# Altium PCB main - Copy.PcbDoc (part 4 of 14)
Units mil, origin at the board's own origin, x right, y up, seen from the top; angles counter-clockwise.
Board outline 8394.55 x 5164.44 mil, 7 copper layers (Top Layer 1, Layer 2, Layer 3, Unused, Layer 4_pow, Layer 5_gnd, Bottom 6+gnd), stack 46.112 mil thick; 406 components, 463 nets, 1919 pads, 903 vias.
Unrouted connection lines stored in the file: 147.
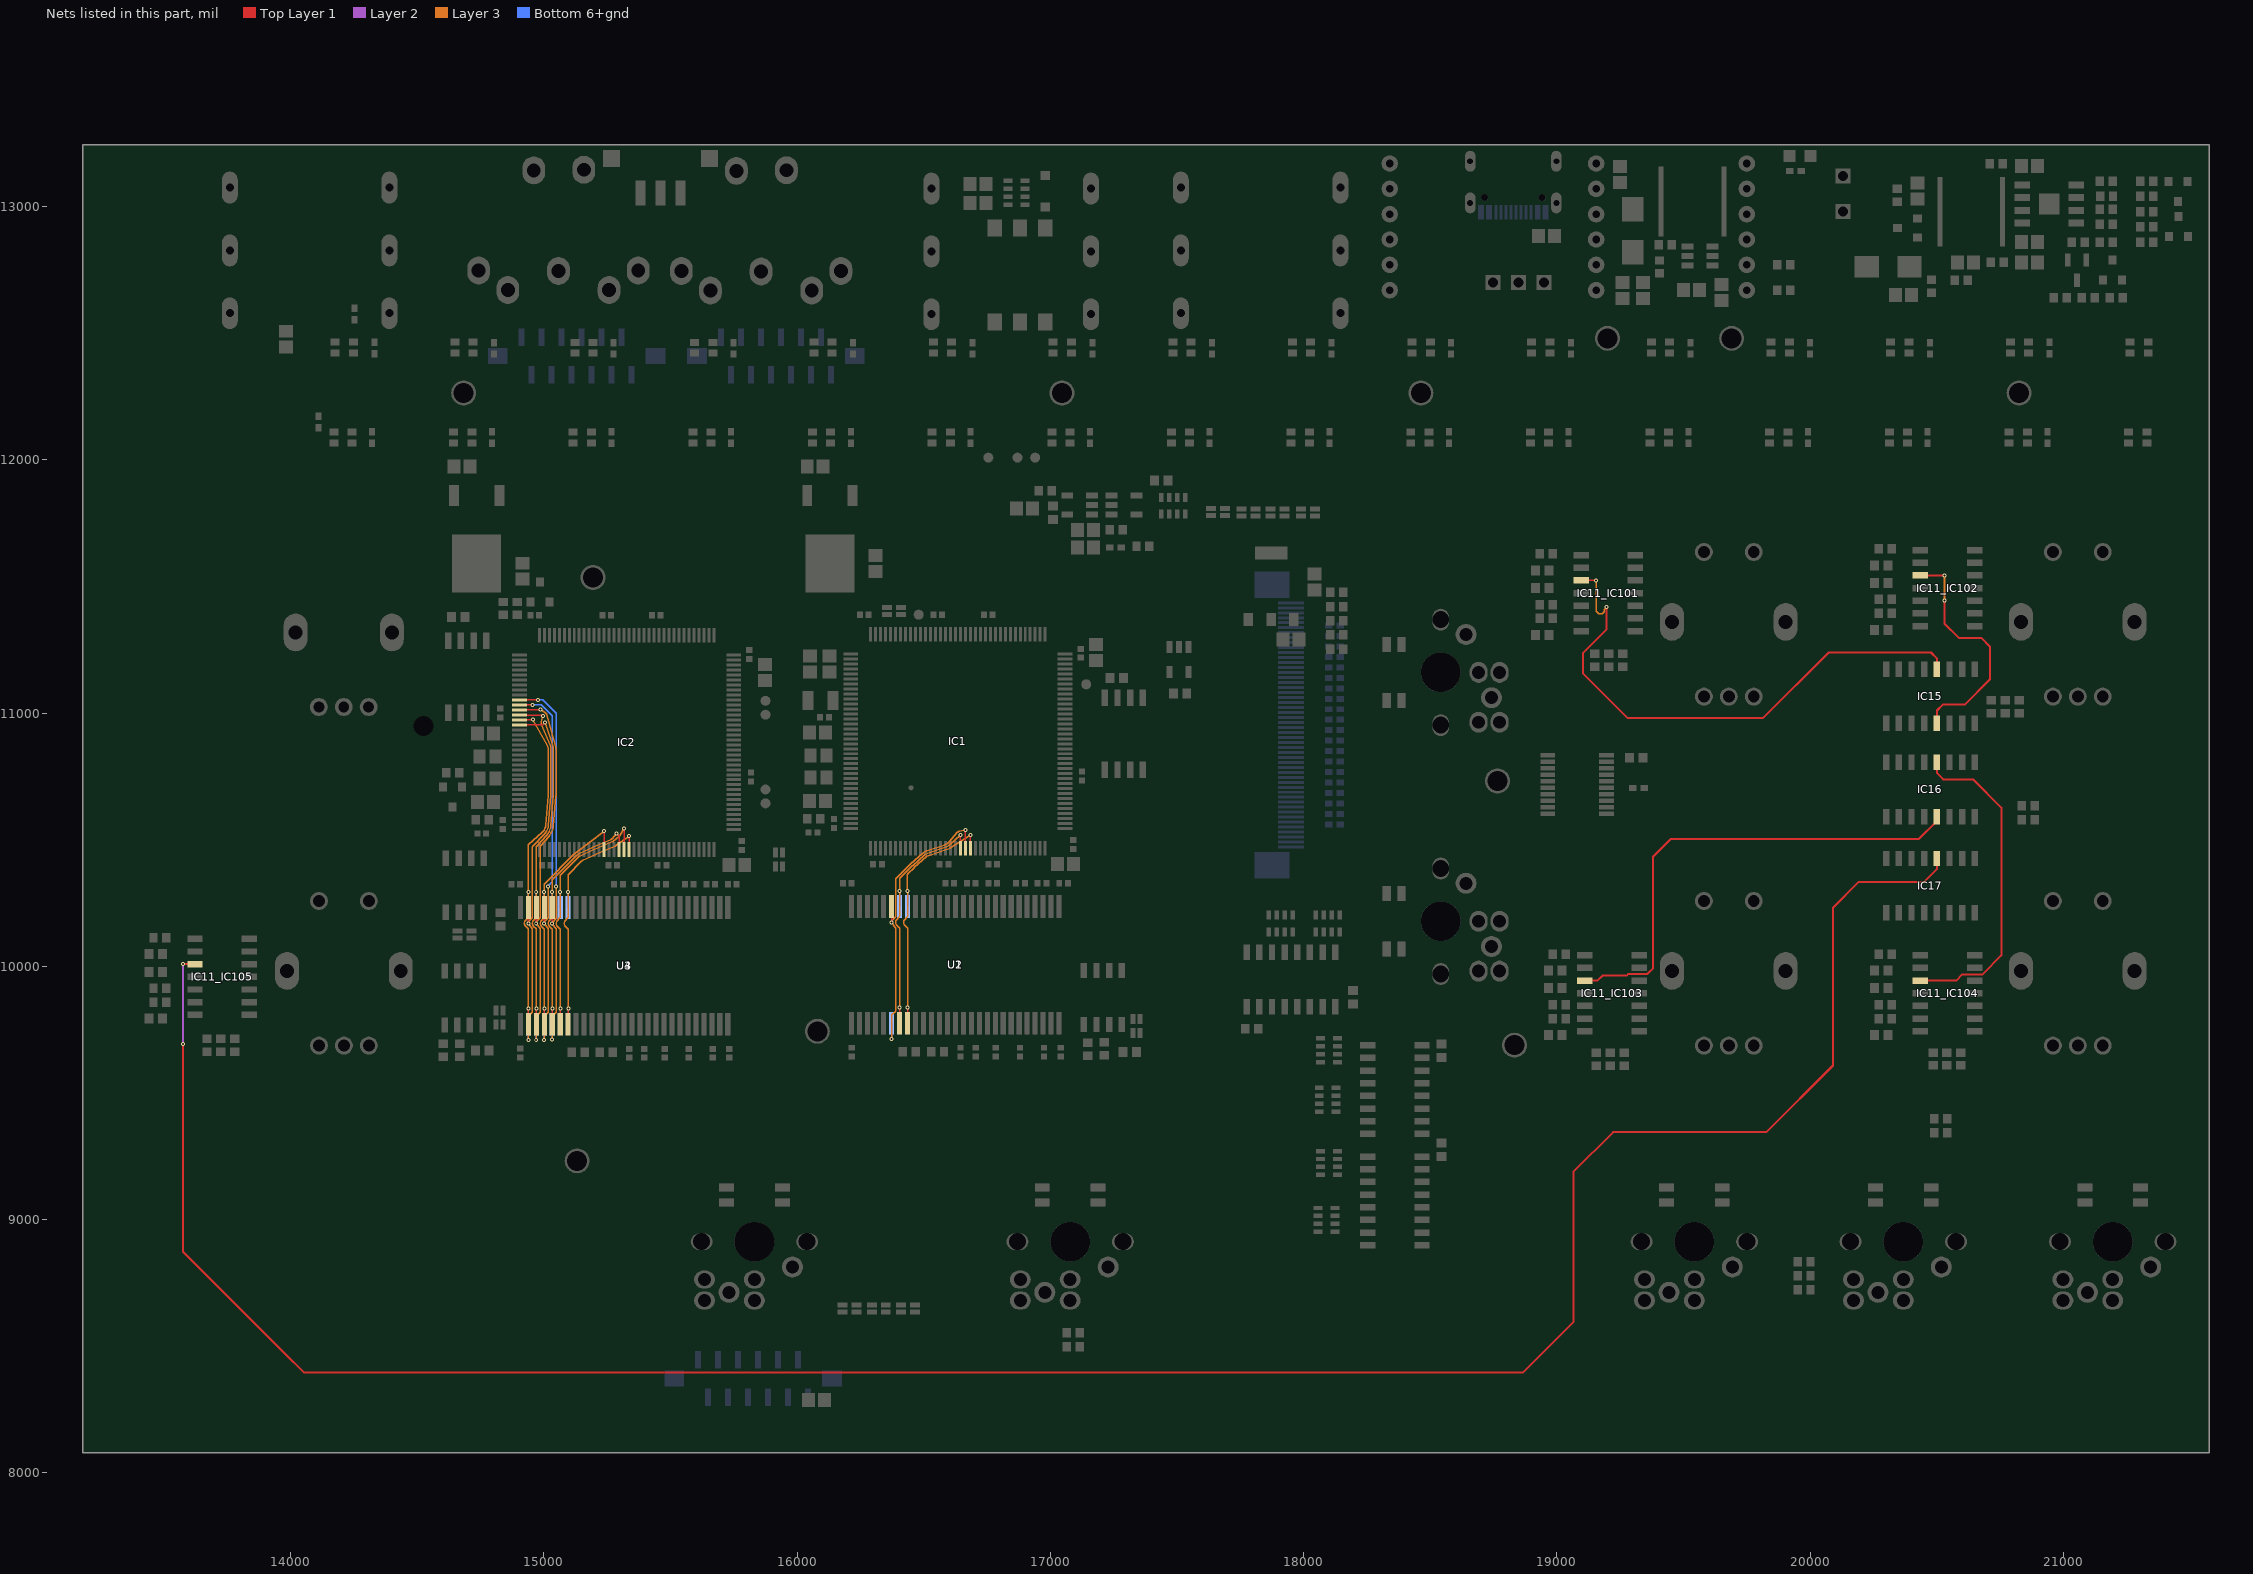
[diagram p8: the nets of this part, all layers, seen from the top]

## Via types
v1: diameter 15.75, hole 7.87, Top Layer 1 to Bottom 6+gnd, tented both sides, 830 vias
v2: diameter 27.56, hole 11.81, Top Layer 1 to Bottom 6+gnd, 45 vias
v3: diameter 23.62/23.62/23.62/23.62/23.62/23.62/23.62 (per signal layer), hole 12, Top Layer 1 to Bottom 6+gnd, tented top, 12 vias
v4: diameter 15.75, hole 7.87, Top Layer 1 to Bottom 6+gnd, 10 vias
v5: diameter 23.62/23.62/23.62/23.62/23.62/23.62/23.62 (per signal layer), hole 12, Top Layer 1 to Bottom 6+gnd, tented bottom, 6 vias

## Nets (pads, with @x,y where several pads share a name; then routed paths per layer and width w, separated by ;. In a path a pad name is that pad's centre, name@x,y a point inside that pad or via, vN(x,y) a via of type N, cw(c..) or ccw(c..) an arc to the next point about the centre after c; other vN are vias at no path point) (continued)
A9: IC1.55 U1.34 U2.34 | length 1531.6
  Top Layer 1 w5: U1.34@16404.53,9775.59 v1@16404.53,9837.43 ; U1.34@16404.77,9775.83 v1(16404.77,9837.68) ; U1.34@16405.02,9775.59 v1@16405.02,9837.43 ; IC1.55@16644.84,10466.06 v1@16644.84,10518.35
  Layer 3 w5: v1(16404.77,9837.68) 16404.77,10149.83 ; 16404.77,10199.75 16404.77,10297.82 v1(16404.28,10298.31) 16404.28,10344.65 ; v1(16644.61,10518.58) 16604.74,10481.61 cw(c16567.09,10522.2) 16584.26,10469.56 16515.96,10447.27 ; 16403.32,10153.31 cw(c16399.77,10149.78) 16404.77,10149.87 ; 16403.32,10153.31 cw(c16399.77,10149.78) 16404.77,10149.87 ; 16403.32,10153.31 cw(c16399.77,10149.78) 16404.77,10149.87 ; 16403.32,10153.31 cw(c16399.77,10149.78) 16404.77,10149.87 ; 16403.32,10153.31 cw(c16399.77,10149.78) 16404.77,10149.87 ; 16403.32,10153.31 cw(c16399.77,10149.78) 16404.77,10149.87 ; 16403.32,10153.31 cw(c16399.77,10149.78) 16404.77,10149.87 ; 16403.32,10153.31 cw(c16399.77,10149.78) 16404.77,10149.87 ; 16403.32,10153.31 cw(c16399.77,10149.78) 16404.77,10149.87 ; 16403.32,10153.31 cw(c16399.77,10149.78) 16404.77,10149.87 ; 16403.32,10153.31 cw(c16399.77,10149.78) 16404.77,10149.87 ; 16403.32,10153.31 cw(c16399.77,10149.78) 16404.77,10149.87 ; 16403.32,10153.31 cw(c16399.77,10149.78) 16404.77,10149.87 ; 16403.32,10153.31 cw(c16399.77,10149.78) 16404.77,10149.87 ; 16403.32,10153.31 cw(c16399.77,10149.78) 16404.77,10149.87 ; 16403.32,10153.31 cw(c16399.77,10149.78) 16404.77,10149.87 ; 16403.32,10153.31 16393.39,10163.28 cw(c16404.28,10174.13) 16392.76,10184.31 16403.52,10196.48 ; 16403.52,10196.48 ccw(c16399.77,10199.79) 16404.77,10199.7 ; 16403.52,10196.48 ccw(c16399.77,10199.79) 16404.77,10199.7 ; 16403.52,10196.48 ccw(c16399.77,10199.79) 16404.77,10199.7 ; 16403.52,10196.48 ccw(c16399.77,10199.79) 16404.77,10199.7 ; 16403.52,10196.48 ccw(c16399.77,10199.79) 16404.77,10199.7 ; 16403.52,10196.48 ccw(c16399.77,10199.79) 16404.77,10199.7 ; 16403.52,10196.48 ccw(c16399.77,10199.79) 16404.77,10199.7 ; 16403.52,10196.48 ccw(c16399.77,10199.79) 16404.77,10199.7 ; 16403.52,10196.48 ccw(c16399.77,10199.79) 16404.77,10199.7 ; 16403.52,10196.48 ccw(c16399.77,10199.79) 16404.77,10199.7 ; 16403.52,10196.48 ccw(c16399.77,10199.79) 16404.77,10199.7 ; 16403.52,10196.48 ccw(c16399.77,10199.79) 16404.77,10199.7 ; 16403.52,10196.48 ccw(c16399.77,10199.79) 16404.77,10199.7 ; 16403.52,10196.48 ccw(c16399.77,10199.79) 16404.77,10199.7 ; 16403.52,10196.48 ccw(c16399.77,10199.79) 16404.77,10199.7 ; 16403.52,10196.48 ccw(c16399.77,10199.79) 16404.77,10199.7 ; 16404.28,10344.65 cw(c16409.28,10344.65) 16405.73,10348.17 ; 16404.28,10344.65 cw(c16409.28,10344.65) 16405.73,10348.17 ; 16404.28,10344.65 cw(c16409.28,10344.65) 16405.73,10348.17 ; 16404.28,10344.65 cw(c16409.28,10344.65) 16405.73,10348.17 ; 16404.28,10344.65 cw(c16409.28,10344.65) 16405.73,10348.17 ; 16404.28,10344.65 cw(c16409.28,10344.65) 16405.73,10348.17 ; 16404.28,10344.65 cw(c16409.28,10344.65) 16405.73,10348.17 ; 16404.28,10344.65 cw(c16409.28,10344.65) 16405.73,10348.17 ; 16404.28,10344.65 cw(c16409.28,10344.65) 16405.73,10348.17 ; 16404.28,10344.65 cw(c16409.28,10344.65) 16405.73,10348.17 ; 16404.28,10344.65 cw(c16409.28,10344.65) 16405.73,10348.17 ; 16404.28,10344.65 cw(c16409.28,10344.65) 16405.73,10348.17 ; 16404.28,10344.65 cw(c16409.28,10344.65) 16405.73,10348.17 ; 16404.28,10344.65 cw(c16409.28,10344.65) 16405.73,10348.17 ; 16404.28,10344.65 cw(c16409.28,10344.65) 16405.73,10348.17 ; 16404.28,10344.65 cw(c16409.28,10344.65) 16405.73,10348.17 ; 16405.73,10348.17 16454.65,10397.09 ; 16454.65,10397.09 cw(c16472.28,10379.36) 16455.77,10398.14 ; 16454.65,10397.09 cw(c16472.28,10379.36) 16455.77,10398.14 ; 16454.65,10397.09 cw(c16472.28,10379.36) 16455.77,10398.14 ; 16454.65,10397.09 cw(c16472.28,10379.36) 16455.77,10398.14 ; 16454.65,10397.09 cw(c16472.28,10379.36) 16455.77,10398.14 ; 16454.65,10397.09 cw(c16472.28,10379.36) 16455.77,10398.14 ; 16454.65,10397.09 cw(c16472.28,10379.36) 16455.77,10398.14 ; 16454.65,10397.09 cw(c16472.28,10379.36) 16455.77,10398.14 ; 16454.65,10397.09 cw(c16472.28,10379.36) 16455.77,10398.14 ; 16454.65,10397.09 cw(c16472.28,10379.36) 16455.77,10398.14 ; 16454.65,10397.09 cw(c16472.28,10379.36) 16455.77,10398.14 ; 16454.65,10397.09 cw(c16472.28,10379.36) 16455.77,10398.14 ; 16454.65,10397.09 cw(c16472.28,10379.36) 16455.77,10398.14 ; 16454.65,10397.09 cw(c16472.28,10379.36) 16455.77,10398.14 ; 16454.65,10397.09 cw(c16472.28,10379.36) 16455.77,10398.14 ; 16454.65,10397.09 cw(c16472.28,10379.36) 16455.77,10398.14 ; 16455.77,10398.14 16503.36,10440.1 ; 16503.36,10440.1 cw(c16526.79,10413.6) 16515.96,10447.27 ; 16503.36,10440.1 cw(c16526.79,10413.6) 16515.96,10447.27 ; 16503.36,10440.1 cw(c16526.79,10413.6) 16515.96,10447.27 ; 16503.36,10440.1 cw(c16526.79,10413.6) 16515.96,10447.27 ; 16503.36,10440.1 cw(c16526.79,10413.6) 16515.96,10447.27 ; 16503.36,10440.1 cw(c16526.79,10413.6) 16515.96,10447.27 ; 16503.36,10440.1 cw(c16526.79,10413.6) 16515.96,10447.27 ; 16503.36,10440.1 cw(c16526.79,10413.6) 16515.96,10447.27 ; 16503.36,10440.1 cw(c16526.79,10413.6) 16515.96,10447.27 ; 16503.36,10440.1 cw(c16526.79,10413.6) 16515.96,10447.27 ; 16503.36,10440.1 cw(c16526.79,10413.6) 16515.96,10447.27 ; 16503.36,10440.1 cw(c16526.79,10413.6) 16515.96,10447.27 ; 16503.36,10440.1 cw(c16526.79,10413.6) 16515.96,10447.27 ; 16503.36,10440.1 cw(c16526.79,10413.6) 16515.96,10447.27 ; 16503.36,10440.1 cw(c16526.79,10413.6) 16515.96,10447.27 ; 16503.36,10440.1 cw(c16526.79,10413.6) 16515.96,10447.27
  Bottom 6+gnd w5: U2.34@16404.53,10236.22 v1@16404.53,10298.06
A10: IC1.56 U1.22 U2.22 | length 1769.5
  Top Layer 1 w5: v1@16372.79,10174.38 U1.22@16372.79,10235.97 ; IC1.56@16664.69,10465.9 v1@16664.69,10538.5
  Layer 3 w5: v1(16372.79,9713.5) 16372.79,9805.11 cw(c16377.79,9805.12) 16374.23,9808.63 16387.45,9821.89 ; v1(16372.79,10174.13) ccw(c16376.94,10176.92) 16372.87,10174.01 16387.98,10152.83 ; v1@16372.79,10179.83 16372.79,10179.7 cw(c16376.94,10176.92) 16373.37,10180.41 16387.45,10194.54 ; 16388.91,9825.38 16388.91,10150.02 ; v1(16664.61,10538.58) 16641.39,10533.62 ccw(c16644.61,10518.58) 16633.03,10528.7 16601.25,10492.34 ; 16387.45,9821.89 ccw(c16383.91,9825.42) 16388.91,9825.33 ; 16387.45,9821.89 ccw(c16383.91,9825.42) 16388.91,9825.33 ; 16387.45,9821.89 ccw(c16383.91,9825.42) 16388.91,9825.33 ; 16387.45,9821.89 ccw(c16383.91,9825.42) 16388.91,9825.33 ; 16387.45,9821.89 ccw(c16383.91,9825.42) 16388.91,9825.33 ; 16387.45,9821.89 ccw(c16383.91,9825.42) 16388.91,9825.33 ; 16387.45,9821.89 ccw(c16383.91,9825.42) 16388.91,9825.33 ; 16387.45,9821.89 ccw(c16383.91,9825.42) 16388.91,9825.33 ; 16387.45,9821.89 ccw(c16383.91,9825.42) 16388.91,9825.33 ; 16387.45,9821.89 ccw(c16383.91,9825.42) 16388.91,9825.33 ; 16387.45,9821.89 ccw(c16383.91,9825.42) 16388.91,9825.33 ; 16387.45,9821.89 ccw(c16383.91,9825.42) 16388.91,9825.33 ; 16387.45,9821.89 ccw(c16383.91,9825.42) 16388.91,9825.33 ; 16387.45,9821.89 ccw(c16383.91,9825.42) 16388.91,9825.33 ; 16387.45,9821.89 ccw(c16383.91,9825.42) 16388.91,9825.33 ; 16387.45,9821.89 ccw(c16383.91,9825.42) 16388.91,9825.33 ; 16387.45,10194.54 ccw(c16383.91,10198.07) 16388.91,10197.98 ; 16387.45,10194.54 ccw(c16383.91,10198.07) 16388.91,10197.98 ; 16387.45,10194.54 ccw(c16383.91,10198.07) 16388.91,10197.98 ; 16387.45,10194.54 ccw(c16383.91,10198.07) 16388.91,10197.98 ; 16387.45,10194.54 ccw(c16383.91,10198.07) 16388.91,10197.98 ; 16387.45,10194.54 ccw(c16383.91,10198.07) 16388.91,10197.98 ; 16387.45,10194.54 ccw(c16383.91,10198.07) 16388.91,10197.98 ; 16387.45,10194.54 ccw(c16383.91,10198.07) 16388.91,10197.98 ; 16387.45,10194.54 ccw(c16383.91,10198.07) 16388.91,10197.98 ; 16387.45,10194.54 ccw(c16383.91,10198.07) 16388.91,10197.98 ; 16387.45,10194.54 ccw(c16383.91,10198.07) 16388.91,10197.98 ; 16387.45,10194.54 ccw(c16383.91,10198.07) 16388.91,10197.98 ; 16387.45,10194.54 ccw(c16383.91,10198.07) 16388.91,10197.98 ; 16387.45,10194.54 ccw(c16383.91,10198.07) 16388.91,10197.98 ; 16387.45,10194.54 ccw(c16383.91,10198.07) 16388.91,10197.98 ; 16387.45,10194.54 ccw(c16383.91,10198.07) 16388.91,10197.98 ; 16387.98,10152.83 cw(c16383.91,10149.93) 16388.91,10150.02 ; 16387.98,10152.83 cw(c16383.91,10149.93) 16388.91,10150.02 ; 16387.98,10152.83 cw(c16383.91,10149.93) 16388.91,10150.02 ; 16387.98,10152.83 cw(c16383.91,10149.93) 16388.91,10150.02 ; 16387.98,10152.83 cw(c16383.91,10149.93) 16388.91,10150.02 ; 16387.98,10152.83 cw(c16383.91,10149.93) 16388.91,10150.02 ; 16387.98,10152.83 cw(c16383.91,10149.93) 16388.91,10150.02 ; 16387.98,10152.83 cw(c16383.91,10149.93) 16388.91,10150.02 ; 16387.98,10152.83 cw(c16383.91,10149.93) 16388.91,10150.02 ; 16387.98,10152.83 cw(c16383.91,10149.93) 16388.91,10150.02 ; 16387.98,10152.83 cw(c16383.91,10149.93) 16388.91,10150.02 ; 16387.98,10152.83 cw(c16383.91,10149.93) 16388.91,10150.02 ; 16387.98,10152.83 cw(c16383.91,10149.93) 16388.91,10150.02 ; 16387.98,10152.83 cw(c16383.91,10149.93) 16388.91,10150.02 ; 16387.98,10152.83 cw(c16383.91,10149.93) 16388.91,10150.02 ; 16387.98,10152.83 cw(c16383.91,10149.93) 16388.91,10150.02 ; 16388.91,10198.02 16388.91,10343.42 ; 16388.91,10343.42 cw(c16393.91,10343.42) 16390.35,10346.93 ; 16388.91,10343.42 cw(c16393.91,10343.42) 16390.35,10346.93 ; 16388.91,10343.42 cw(c16393.91,10343.42) 16390.35,10346.93 ; 16388.91,10343.42 cw(c16393.91,10343.42) 16390.35,10346.93 ; 16388.91,10343.42 cw(c16393.91,10343.42) 16390.35,10346.93 ; 16388.91,10343.42 cw(c16393.91,10343.42) 16390.35,10346.93 ; 16388.91,10343.42 cw(c16393.91,10343.42) 16390.35,10346.93 ; 16388.91,10343.42 cw(c16393.91,10343.42) 16390.35,10346.93 ; 16388.91,10343.42 cw(c16393.91,10343.42) 16390.35,10346.93 ; 16388.91,10343.42 cw(c16393.91,10343.42) 16390.35,10346.93 ; 16388.91,10343.42 cw(c16393.91,10343.42) 16390.35,10346.93 ; 16388.91,10343.42 cw(c16393.91,10343.42) 16390.35,10346.93 ; 16388.91,10343.42 cw(c16393.91,10343.42) 16390.35,10346.93 ; 16388.91,10343.42 cw(c16393.91,10343.42) 16390.35,10346.93 ; 16388.91,10343.42 cw(c16393.91,10343.42) 16390.35,10346.93 ; 16388.91,10343.42 cw(c16393.91,10343.42) 16390.35,10346.93 ; 16390.35,10346.93 16447.6,10404.18 cw(c16472.28,10379.36) 16449.13,10405.61 16496.77,10447.63 cw(c16526.79,10413.6) 16512.84,10456.77 16581.16,10479.07 ; 16581.16,10479.07 ccw(c16567.09,10522.2) 16601.25,10492.34 ; 16581.16,10479.07 ccw(c16567.09,10522.2) 16601.25,10492.34 ; 16581.16,10479.07 ccw(c16567.09,10522.2) 16601.25,10492.34 ; 16581.16,10479.07 ccw(c16567.09,10522.2) 16601.25,10492.34 ; 16581.16,10479.07 ccw(c16567.09,10522.2) 16601.25,10492.34 ; 16581.16,10479.07 ccw(c16567.09,10522.2) 16601.25,10492.34 ; 16581.16,10479.07 ccw(c16567.09,10522.2) 16601.25,10492.34 ; 16581.16,10479.07 ccw(c16567.09,10522.2) 16601.25,10492.34 ; 16581.16,10479.07 ccw(c16567.09,10522.2) 16601.25,10492.34 ; 16581.16,10479.07 ccw(c16567.09,10522.2) 16601.25,10492.34 ; 16581.16,10479.07 ccw(c16567.09,10522.2) 16601.25,10492.34 ; 16581.16,10479.07 ccw(c16567.09,10522.2) 16601.25,10492.34 ; 16581.16,10479.07 ccw(c16567.09,10522.2) 16601.25,10492.34 ; 16581.16,10479.07 ccw(c16567.09,10522.2) 16601.25,10492.34 ; 16581.16,10479.07 ccw(c16567.09,10522.2) 16601.25,10492.34 ; 16581.16,10479.07 ccw(c16567.09,10522.2) 16601.25,10492.34
  Bottom 6+gnd w5: v1@16373.03,9713.75 U2.22@16373.03,9775.59
A11: IC1.57 U1.35 U2.35 | length 1544.4
  Top Layer 1 w5: U1.35@16436.02,9775.59 v1@16436.02,9837.43 ; U1.35@16436.27,9775.83 v1(16436.27,9837.68) ; U1.35@16436.51,9775.59 v1@16436.51,9837.43 ; IC1.57@16684.21,10466.06 v1@16684.21,10518.35
  Layer 3 w5: v1(16436.27,9837.68) 16436.27,10149.83 ; 16436.27,10199.75 16436.27,10297.82 v1(16435.78,10298.31) 16435.78,10362 ; v1(16683.98,10518.58) 16601.93,10466.89 ; 16434.81,10153.31 cw(c16431.27,10149.78) 16436.27,10149.87 ; 16434.81,10153.31 cw(c16431.27,10149.78) 16436.27,10149.87 ; 16434.81,10153.31 cw(c16431.27,10149.78) 16436.27,10149.87 ; 16434.81,10153.31 cw(c16431.27,10149.78) 16436.27,10149.87 ; 16434.81,10153.31 cw(c16431.27,10149.78) 16436.27,10149.87 ; 16434.81,10153.31 cw(c16431.27,10149.78) 16436.27,10149.87 ; 16434.81,10153.31 cw(c16431.27,10149.78) 16436.27,10149.87 ; 16434.81,10153.31 cw(c16431.27,10149.78) 16436.27,10149.87 ; 16434.81,10153.31 cw(c16431.27,10149.78) 16436.27,10149.87 ; 16434.81,10153.31 cw(c16431.27,10149.78) 16436.27,10149.87 ; 16434.81,10153.31 cw(c16431.27,10149.78) 16436.27,10149.87 ; 16434.81,10153.31 cw(c16431.27,10149.78) 16436.27,10149.87 ; 16434.81,10153.31 cw(c16431.27,10149.78) 16436.27,10149.87 ; 16434.81,10153.31 cw(c16431.27,10149.78) 16436.27,10149.87 ; 16434.81,10153.31 cw(c16431.27,10149.78) 16436.27,10149.87 ; 16434.81,10153.31 cw(c16431.27,10149.78) 16436.27,10149.87 ; 16434.81,10153.31 16424.88,10163.28 cw(c16435.78,10174.13) 16424.26,10184.31 16435.01,10196.48 ; 16435.01,10196.48 ccw(c16431.27,10199.79) 16436.27,10199.7 ; 16435.01,10196.48 ccw(c16431.27,10199.79) 16436.27,10199.7 ; 16435.01,10196.48 ccw(c16431.27,10199.79) 16436.27,10199.7 ; 16435.01,10196.48 ccw(c16431.27,10199.79) 16436.27,10199.7 ; 16435.01,10196.48 ccw(c16431.27,10199.79) 16436.27,10199.7 ; 16435.01,10196.48 ccw(c16431.27,10199.79) 16436.27,10199.7 ; 16435.01,10196.48 ccw(c16431.27,10199.79) 16436.27,10199.7 ; 16435.01,10196.48 ccw(c16431.27,10199.79) 16436.27,10199.7 ; 16435.01,10196.48 ccw(c16431.27,10199.79) 16436.27,10199.7 ; 16435.01,10196.48 ccw(c16431.27,10199.79) 16436.27,10199.7 ; 16435.01,10196.48 ccw(c16431.27,10199.79) 16436.27,10199.7 ; 16435.01,10196.48 ccw(c16431.27,10199.79) 16436.27,10199.7 ; 16435.01,10196.48 ccw(c16431.27,10199.79) 16436.27,10199.7 ; 16435.01,10196.48 ccw(c16431.27,10199.79) 16436.27,10199.7 ; 16435.01,10196.48 ccw(c16431.27,10199.79) 16436.27,10199.7 ; 16435.01,10196.48 ccw(c16431.27,10199.79) 16436.27,10199.7 ; 16435.78,10362 cw(c16440.78,10362) 16437.22,10365.52 ; 16435.78,10362 cw(c16440.78,10362) 16437.22,10365.52 ; 16435.78,10362 cw(c16440.78,10362) 16437.22,10365.52 ; 16435.78,10362 cw(c16440.78,10362) 16437.22,10365.52 ; 16435.78,10362 cw(c16440.78,10362) 16437.22,10365.52 ; 16435.78,10362 cw(c16440.78,10362) 16437.22,10365.52 ; 16435.78,10362 cw(c16440.78,10362) 16437.22,10365.52 ; 16435.78,10362 cw(c16440.78,10362) 16437.22,10365.52 ; 16435.78,10362 cw(c16440.78,10362) 16437.22,10365.52 ; 16435.78,10362 cw(c16440.78,10362) 16437.22,10365.52 ; 16435.78,10362 cw(c16440.78,10362) 16437.22,10365.52 ; 16435.78,10362 cw(c16440.78,10362) 16437.22,10365.52 ; 16435.78,10362 cw(c16440.78,10362) 16437.22,10365.52 ; 16435.78,10362 cw(c16440.78,10362) 16437.22,10365.52 ; 16435.78,10362 cw(c16440.78,10362) 16437.22,10365.52 ; 16435.78,10362 cw(c16440.78,10362) 16437.22,10365.52 ; 16437.22,10365.52 16461.71,10390 cw(c16472.28,10379.36) 16462.35,10390.61 16510,10432.63 cw(c16526.79,10413.6) 16519.06,10437.77 16587.37,10460.05 ; 16587.37,10460.06 ccw(c16567.09,10522.2) 16601.93,10466.89 ; 16587.37,10460.06 ccw(c16567.09,10522.2) 16601.93,10466.89 ; 16587.37,10460.06 ccw(c16567.09,10522.2) 16601.93,10466.89 ; 16587.37,10460.06 ccw(c16567.09,10522.2) 16601.93,10466.89 ; 16587.37,10460.06 ccw(c16567.09,10522.2) 16601.93,10466.89 ; 16587.37,10460.06 ccw(c16567.09,10522.2) 16601.93,10466.89 ; 16587.37,10460.06 ccw(c16567.09,10522.2) 16601.93,10466.89 ; 16587.37,10460.06 ccw(c16567.09,10522.2) 16601.93,10466.89 ; 16587.37,10460.06 ccw(c16567.09,10522.2) 16601.93,10466.89 ; 16587.37,10460.06 ccw(c16567.09,10522.2) 16601.93,10466.89 ; 16587.37,10460.06 ccw(c16567.09,10522.2) 16601.93,10466.89 ; 16587.37,10460.06 ccw(c16567.09,10522.2) 16601.93,10466.89 ; 16587.37,10460.06 ccw(c16567.09,10522.2) 16601.93,10466.89 ; 16587.37,10460.06 ccw(c16567.09,10522.2) 16601.93,10466.89 ; 16587.37,10460.06 ccw(c16567.09,10522.2) 16601.93,10466.89 ; 16587.37,10460.06 ccw(c16567.09,10522.2) 16601.93,10466.89
  Bottom 6+gnd w5: U2.35@16436.02,10236.22 v1@16436.02,10298.06
A_ENC1_1: IC11_IC101.10 IC15.12 | length 2171.5
  Top Layer 1 w5: IC11_IC101.10@19095.43,11523.82 v1(19155,11523.82)
  Top Layer 1 w8: v1(19195,11418.82) 19195,11329.56 19103.7,11238.26 19103.7,11156.32 19280.09,10979.93 19813.26,10979.93 20072.66,11239.33 20477,11239.33 20500,11216.33 IC15.12@20500,11173.82
  Layer 3 w5: v1(19155,11523.82) 19155,11402.53 19165.6,11391.93 19178.34,11391.93 19187.34,11400.94 19187.34,11408.25 19195,11415.91 v1(19195,11418.82)
A_ENC2_1: IC11_IC102.10 IC15.5 | length 943.5
  Top Layer 1 w8: IC11_IC102.10@20435,11543.82 v1(20530,11543.82) ; IC15.5@20500,10959.25 20500.66,10959.92 20500.66,11010.32 20524.17,11033.82 20609.94,11033.82 20710,11133.88 20710,11262.77 20675.8,11296.97 20586.85,11296.97 20530,11353.82 v1(20530,11443.82)
  Layer 3 w8: v1(20530,11443.82) v1(20530,11543.82)
A_ENC3_1: IC11_IC103.10 IC16.5 | length 1926.6
  Top Layer 1 w8: IC11_IC103.10@19110.43,9943.82 19160,9943.82 19180,9963.82 19275,9963.82 19281.74,9970.56 19357.77,9970.56 19380,9992.78 19380,10433.82 19449.06,10502.88 20429.06,10502.88 20500,10573.82 IC16.5@20500,10591.53
A_ENC4_1: IC11_IC104.10 IC16.12 | length 1298.6
  Top Layer 1 w8: IC11_IC104.10@20435,9943.82 20490,9943.82 20576.05,9943.82 20601.05,9968.82 20680.6,9968.82 20755,10043.22 20755,10626.52 20642.7,10738.82 20525,10738.82 20500,10763.82 IC16.12@20500,10806.1
A_ENC5_1: IC11_IC105.10 IC17.12 | length 9882.1
  Top Layer 1 w8: v1(13575,9693.82) 13575,8874.22 14011.4,8437.82 ; v1(13575,10008.82) IC11_IC105.10@13622.72,10008.82 ; 14012.82,8436.4 14053.4,8395.82 18865.77,8395.82 19065,8595.05 19065,9188.82 19222,9345.82 19827,9345.82 20090,9608.82 20090,10232.05 20191.77,10333.82 20450,10333.82 20500,10383.82 IC17.12@20500,10426.1
  Layer 2 w8: v1(13575,9693.82) v1(13575,10008.82)
AA0: IC2.10 U3.23 U4.23 | length 1693
  Top Layer 1 w5: IC2.10@14903.94,11051.95 IC2.10@14904,11051.95 v1@14976.54,11051.95 ; v1(15032.99,10169.94) 15033.24,10169.94 U3.23@15033.24,10232.03
  Layer 3 w5: v1(15032.87,9711.82) 15032.87,9802.87 15049.11,9819.12 15049.11,10145.78 ; v1(15048.82,10315.92) 15049.11,10298.12 ; 15049.11,10193.83 15049.11,10298.06 ; 15048.06,10148.8 cw(c15044.11,10145.74) 15049.11,10145.83 ; 15048.06,10148.8 cw(c15044.11,10145.74) 15049.11,10145.83 ; 15048.06,10148.8 cw(c15044.11,10145.74) 15049.11,10145.83 ; 15048.06,10148.8 cw(c15044.11,10145.74) 15049.11,10145.83 ; 15048.06,10148.8 cw(c15044.11,10145.74) 15049.11,10145.83 ; 15048.06,10148.8 cw(c15044.11,10145.74) 15049.11,10145.83 ; 15048.06,10148.8 cw(c15044.11,10145.74) 15049.11,10145.83 ; 15048.06,10148.8 cw(c15044.11,10145.74) 15049.11,10145.83 ; 15048.06,10148.8 cw(c15044.11,10145.74) 15049.11,10145.83 ; 15048.06,10148.8 cw(c15044.11,10145.74) 15049.11,10145.83 ; 15048.06,10148.8 cw(c15044.11,10145.74) 15049.11,10145.83 ; 15048.06,10148.8 cw(c15044.11,10145.74) 15049.11,10145.83 ; 15048.06,10148.8 cw(c15044.11,10145.74) 15049.11,10145.83 ; 15048.06,10148.8 cw(c15044.11,10145.74) 15049.11,10145.83 ; 15048.06,10148.8 cw(c15044.11,10145.74) 15049.11,10145.83 ; 15048.06,10148.8 cw(c15044.11,10145.74) 15049.11,10145.83 ; 15048.06,10148.8 15034.07,10166.84 cw(c15037.99,10169.94) v1(15032.99,10169.94) 15032.99,10170 cw(c15037.99,10169.94) 15034.06,10173.04 15048.04,10190.79 ; 15048.04,10190.79 ccw(c15044.11,10193.88) 15049.11,10193.79 ; 15048.04,10190.79 ccw(c15044.11,10193.88) 15049.11,10193.79 ; 15048.04,10190.79 ccw(c15044.11,10193.88) 15049.11,10193.79 ; 15048.04,10190.79 ccw(c15044.11,10193.88) 15049.11,10193.79 ; 15048.04,10190.79 ccw(c15044.11,10193.88) 15049.11,10193.79 ; 15048.04,10190.79 ccw(c15044.11,10193.88) 15049.11,10193.79 ; 15048.04,10190.79 ccw(c15044.11,10193.88) 15049.11,10193.79 ; 15048.04,10190.79 ccw(c15044.11,10193.88) 15049.11,10193.79 ; 15048.04,10190.79 ccw(c15044.11,10193.88) 15049.11,10193.79 ; 15048.04,10190.79 ccw(c15044.11,10193.88) 15049.11,10193.79 ; 15048.04,10190.79 ccw(c15044.11,10193.88) 15049.11,10193.79 ; 15048.04,10190.79 ccw(c15044.11,10193.88) 15049.11,10193.79 ; 15048.04,10190.79 ccw(c15044.11,10193.88) 15049.11,10193.79 ; 15048.04,10190.79 ccw(c15044.11,10193.88) 15049.11,10193.79 ; 15048.04,10190.79 ccw(c15044.11,10193.88) 15049.11,10193.79 ; 15048.04,10190.79 ccw(c15044.11,10193.88) 15049.11,10193.79 ; 15049.11,10298.06 ccw(c15044.11,10298.04) 15049.11,10298.12 ; 15049.11,10298.06 ccw(c15044.11,10298.04) 15049.11,10298.12 ; 15049.11,10298.06 ccw(c15044.11,10298.04) 15049.11,10298.12 ; 15049.11,10298.06 ccw(c15044.11,10298.04) 15049.11,10298.12 ; 15049.11,10298.06 ccw(c15044.11,10298.04) 15049.11,10298.12